# Altium PCB Iris.PcbDoc (part 4 of 13)
Units mm, origin at the board's own origin, x right, y up, seen from the top; angles counter-clockwise.
Board outline 100 x 72 mm, 6 copper layers (Top Layer, PowerPlane1, MidLayer1, MidLayer2, PowerPlane2, Bottom Layer), stack 1.561 mm thick; 396 components, 379 nets, 1616 pads, 658 vias.
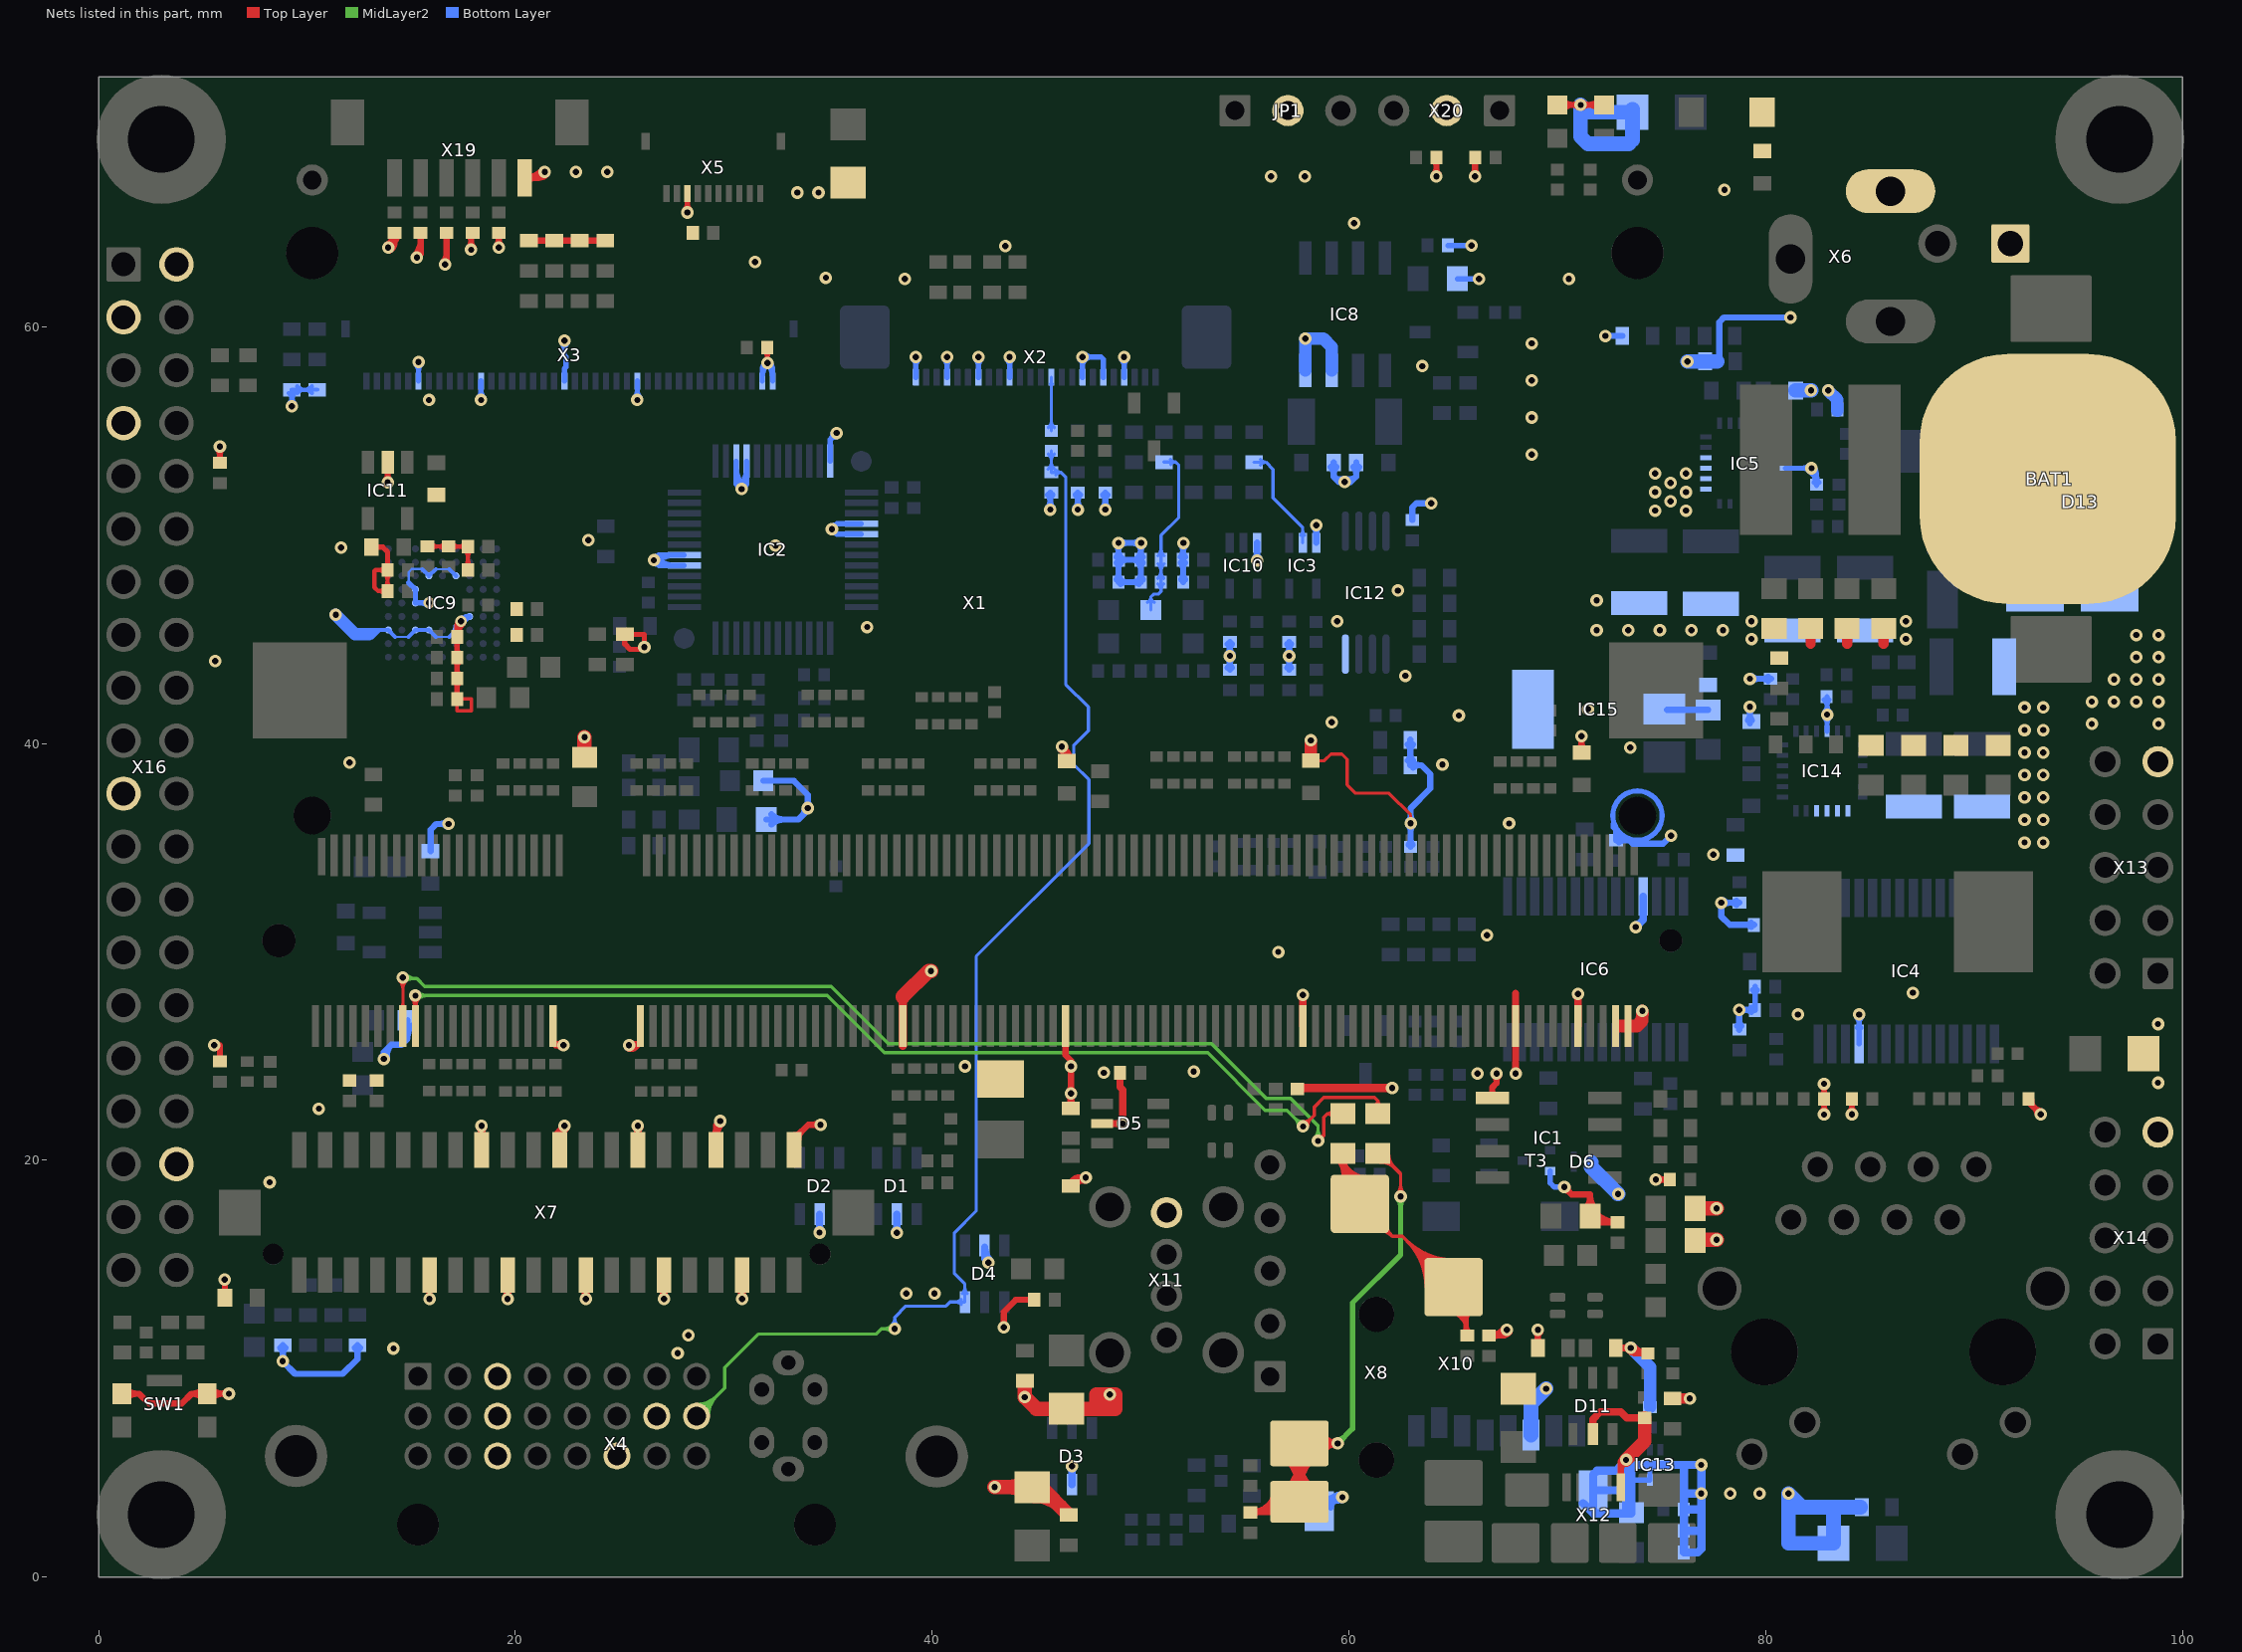
[diagram p8: the nets of this part, all layers, seen from the top]

## Via types
v1: diameter 0.6, hole 0.3, Top Layer to Bottom Layer, tented both sides, 651 vias
v2: diameter 0.55, hole 0.3, Top Layer to Bottom Layer, tented both sides, 7 vias

## Nets (pads, with @x,y where several pads share a name; then routed paths per layer and width w, separated by ;. In a path a pad name is that pad's centre, name@x,y a point inside that pad or via, vN(x,y) a via of type N, cw(c..) or ccw(c..) an arc to the next point about the centre after c; other vN are vias at no path point) (continued)
GND: BAT1.2 C1.2 C2.2 C3.2 C4.2 C5.2 C6.2 C7.2 C8.2 C20.1 C21.1 C22.1 C23.1 C24.1 C25.1 C28.2 C33.1 C34.1 C35.1 C36.1 C37.1 C39.2 C41.2 C42.1 C43.1 C44.1 C45.1 C46.1 C48.2 C50.1 C51.1 C52.2 C53.2 C54.1 C55.1 C56.1 C57.1 C58.1 C59.1 C61.1 C63.1 C64.1 C65.1 C66.1 C67.1 C68.1 C69.1 C70.1 C72.1 C73.1 C74.1 C75.1 C76.1 C77.1 C78.1 C79.1 C80.1 C81.1 C82.2 C84.1 C86.1 C89.1 C90.1 C91.1 C92.1 C93.1 C94.1 C95.1 C96.1 C97.1 C98.1 C99.2 C100.2 C101.2 C102.1 C104.1 C105.1 C112.1 C115.1 C116.2 C117.1 C118.1 C119.1 C120.1 C121.1 C122.1 C123.1 C124.1 C125.1 C126.1 C127.1 C128.1 C129.1 C130.1 C131.1 C132.1 C133.2 C134.2 C135.2 C136.1 C137.1 C138.1 C139.1 D1.2 D2.2 D3.2 D4.2 D5.2 D6.3 D11.2 IC1.1 IC2.3 IC2.4 IC2.12 IC2.16 IC2.17 IC2.41 IC2.42 IC3.3 IC4.25 IC5.4 IC5.12 IC5.13 IC5.14 IC5.15 IC6.25 IC8.3 IC8.4 IC9.C1 IC9.C3 IC9.C4 IC9.C6 IC9.D7 IC9.E3 IC9.F3 IC9.G4 IC9.G6 IC10.3 IC11.2 IC12.4 IC13.2 IC13.5 IC14.4 IC14.12 IC14.13 IC14.14 IC14.15 IC15.2 IC15.4 JP1.2 L23.2 L24.2 L27.1 LED1.1 LED2.1 R25.2 R26.2 R28.2 R30.1 R37.1 R42.2 R46.2 R58.1 R59.1 R60.1 R63.2 R67.1 R70.2 R72.1 R74.1 R83.2 R85.2 R86.2 R91.1 R100.1 R116.2 R130.2 R132.2 R134.2 R136.2 R137.1 R138.1 R140.1 R154.2 R155.1 SW1.1 SW1.3 T3.2 X1.39 X1.41 X1.83 X1.109 X1.147 X1.181 X1.191 X1.197 X1.199 X2.1 X2.4 X2.7 X2.10 X2.17 X2.19 X2.21 X3.1 X3.2 X3.14 X3.21 X3.29 X3.35 X4.3 X4.11 X4.15 X4.19 X4.22 X5.3 X7.2 X7.5 X7.8 X7.11 X7.14 X7.17 X7.20 X7.23 X7.26 X7.29 X10.6 X10.S1 X10.S2 X11.4 X12.5 X13.9 X14.9 X16.2 X16.3 X16.7 X16.21 X16.36 X19.1 X20.2 | length 500.4
  Top Layer w0.15: C100.2@58.176,39.18 58.825,39.18 59.142,39.497 59.665,39.497 59.919,39.243 59.919,38.024 60.325,37.617 61.925,37.617 62.967,36.576 v1(62.967,36.182)
  Top Layer w0.165: 17.203,41.58 C121.1@17.203,42.139 17.882,42.139 17.882,41.58 17.203,41.58
  Top Layer w0.2: C23.1@13.725,47.188 ccw(c13.411,46.883) 13.411,47.32 ; C23.1@13.725,47.453 cw(c13.411,47.758) 13.411,47.32 ; C23.1@13.727,47.495 ccw(c13.402,47.819) 13.861,47.819 ccw(c14.32,47.819) C23.1@13.995,47.495 ; C25.1@13.727,48.154 cw(c13.402,47.83) 13.861,47.83 cw(c14.32,47.83) C25.1@13.995,48.154 ; C25.1@13.727,48.194 ccw(c13.402,47.87) 13.402,48.329 ccw(c13.402,48.788) C25.1@13.727,48.463 ; v1@13.727,52.68 ccw(c13.386,53.022) 13.868,53.022 ccw(c14.351,53.022) v1@14.01,52.68 ; IC11.2@13.727,53.105 cw(c13.386,52.763) 13.868,52.763 cw(c14.351,52.763) IC11.2@14.01,53.105 ; v1@13.755,52.703 ccw(c13.647,52.859) 13.83,52.908 ; v1@13.768,52.712 ccw(c13.626,52.958) 13.901,52.885 ; 13.836,52.885 ccw(c14.111,52.958) v1@13.968,52.712 ; v1(13.868,52.539) IC11.2@13.868,53.496 ; 13.907,52.908 ccw(c14.089,52.859) v1@13.982,52.703 ; C24.1@15.773,49.461 17.714,49.461 C20.1@17.722,49.454 C21.1@17.722,48.329 ; C24.1@15.948,49.327 cw(c16.272,49.003) 16.272,49.461 cw(c16.272,49.92) C24.1@15.948,49.596 ; C22.1@16.615,49.327 ccw(c16.291,49.003) 16.291,49.461 ccw(c16.291,49.92) C22.1@16.615,49.596 ; C22.1@16.964,49.327 cw(c17.288,49.003) 17.288,49.461 cw(c17.288,49.92) C22.1@16.964,49.596 ; 17.245,49.461 cw(c17.245,48.977) C20.1@17.587,49.319 ; 17.281,49.461 ccw(c17.281,49.895) C20.1@17.587,49.588 ; C21.1@17.587,48.503 ccw(c17.263,48.827) 17.722,48.827 ccw(c18.18,48.827) C21.1@17.856,48.503 ; C20.1@17.587,49.279 cw(c17.263,48.955) 17.722,48.955 cw(c18.18,48.955) C20.1@17.856,49.279 ; C51.1@92.606,22.909 ccw(c92.997,22.909) C51.1@92.72,22.633 ; C51.1@92.616,22.949 92.616,22.737 v1@93.149,22.204 ; 92.767,22.586 ccw(c93.207,23.026) v1@93.207,22.404 ; C51.1@92.806,22.909 ccw(c93.68,22.909) v1@93.062,22.292 ; C51.1@92.812,22.724 ccw(c93.406,23.067) v1@93.252,22.399 ; 92.906,22.447 cw(c92.664,22.204) v1@93.007,22.204 ; 13.411,47.32 C23.1@13.861,47.32 C25.1@13.861,48.329 13.282,48.329 13.233,48.28 13.233,47.498 13.411,47.32
  Top Layer w0.254: C128.1@13.093,49.428 13.64,49.428 13.861,49.207 C25.1@13.861,48.329 ; C122.1@17.088,42.974 cw(c16.81,42.696) 17.203,42.696 cw(c17.597,42.696) C122.1@17.318,42.974 ; C122.1@17.088,43.284 ccw(c16.81,43.563) 17.203,43.563 ccw(c17.597,43.563) C122.1@17.318,43.284 ; C125.1@17.088,43.973 cw(c16.81,43.694) 17.203,43.694 cw(c17.597,43.694) C125.1@17.318,43.973 ; C125.1@17.088,44.283 ccw(c16.81,44.561) 17.203,44.561 ccw(c17.597,44.561) C125.1@17.318,44.283 ; C123.1@17.088,44.963 cw(c16.81,44.685) 17.203,44.685 cw(c17.597,44.685) C123.1@17.318,44.963 ; C123.1@17.088,45.274 ccw(c16.81,45.552) 17.203,45.552 ccw(c17.597,45.552) C123.1@17.318,45.274 ; C121.1@17.203,42.139 C122.1@17.203,43.129 C125.1@17.203,44.128 C123.1@17.203,45.118 17.203,45.681 v2(17.394,45.871) ; C123.1@17.203,45.054 cw(c18.211,45.054) v2@17.498,45.767 ; 17.203,45.668 cw(c17.597,45.668) v2@17.319,45.946 ; v1@28.128,65.612 ccw(c27.832,65.907) 28.25,65.907 ccw(c28.668,65.907) v1@28.372,65.612 ; v1(28.25,65.49) X5.3@28.25,66.4 ; C112.1@31.972,58.849 cw(c31.694,58.571) 32.088,58.571 cw(c32.481,58.571) C112.1@32.203,58.849 ; C112.1@32.088,58.953 32.088,58.284 v1(32.1,58.272) ; v1(74.733,19.075) C54.1@75.405,19.075 ; v1@74.875,18.977 cw(c75.037,18.865) 75.088,19.055 ; v1@74.875,19.174 ccw(c75.037,19.286) 75.088,19.096 ; v1@74.877,18.98 cw(c75.016,18.889) 75.059,19.049 ; v1@74.877,19.171 ccw(c75.016,19.262) 75.059,19.102 ; C54.1@75.239,18.96 ccw(c74.961,18.682) 74.961,19.075 ccw(c74.961,19.469) C54.1@75.239,19.191 ; C54.1@75.29,18.96 ccw(c75.012,18.682) 75.012,19.075 ccw(c75.012,19.469) C54.1@75.29,19.191 ; v1@82.685,22.323 ccw(c82.39,22.618) 82.807,22.618 ccw(c83.225,22.618) v1@82.93,22.323 ; v1@82.685,23.575 cw(c82.39,23.28) 82.807,23.28 cw(c83.225,23.28) v1@82.93,23.575 ; C50.1@82.692,22.794 cw(c82.414,22.515) 82.807,22.515 cw(c83.201,22.515) C50.1@82.923,22.794 ; C50.1@82.692,23.104 ccw(c82.414,23.383) 82.807,23.383 ccw(c83.201,23.383) C50.1@82.923,23.104 ; v1@82.807,22.099 C50.1@82.807,22.949 v1@82.807,23.799 ; v1@84.02,22.323 ccw(c83.725,22.619) 84.143,22.619 ccw(c84.56,22.619) v1@84.265,22.323 ; C89.1@84.028,22.794 cw(c83.749,22.516) 84.143,22.516 cw(c84.536,22.516) C89.1@84.258,22.794 ; v1(84.143,22.201) C89.1@84.143,22.949 ; C54.1@75.151,19.075 ccw(c75.151,18.658) 74.855,18.953 cw(c75.151,18.658) C54.1@75.151,19.075 ; C54.1@75.151,19.075 cw(c75.151,19.493) 74.855,19.198 ccw(c75.151,19.493) C54.1@75.151,19.075 ; 25.25,44.778 R86.2@25.25,45.251 25.264,45.237 26.187,45.237 26.187,44.577 26.137,44.526 25.502,44.526 25.25,44.778
  Top Layer w0.3: SW1.3@1.11,8.8 1.944,8.8 2.413,8.331 3.988,8.331 4.457,8.8 v1(6.248,8.8) ; SW1.3@1.322,8.588 cw(c1.834,8.076) 1.834,8.8 cw(c1.834,9.524) SW1.3@1.322,9.012 ; SW1.1@4.998,8.588 ccw(c4.486,8.076) 4.486,8.8 ccw(c4.486,9.524) SW1.1@4.998,9.012 ; SW1.1@5.422,8.588 cw(c5.934,8.076) 5.934,8.8 cw(c5.934,9.524) SW1.1@5.422,9.012 ; v1(5.537,25.527) 5.791,25.527 5.817,25.502 5.817,24.849 C118.1@5.715,24.747 ; v1@5.711,54.148 cw(c5.454,53.892) 5.817,53.892 cw(c6.179,53.892) v1@5.923,54.148 ; C117.1@5.718,53.582 ccw(c5.479,53.821) 5.817,53.821 ccw(c6.155,53.821) C117.1@5.916,53.582 ; C117.1@5.817,53.559 v1(5.817,54.254) ; v1(6.045,14.275) 6.058,14.262 C119.1@6.058,13.411 ; v1@6.142,8.694 ccw(c5.886,8.438) 5.886,8.8 ccw(c5.886,9.162) v1@6.142,8.906 ; v1@13.831,63.941 ccw(c13.574,64.51) C90.1@14.198,64.51 14.198,64.11 v1(13.893,63.805) ccw(c13.464,64.234) C90.1@14.028,64.458 ; v1@13.87,63.953 ccw(c13.83,64.204) 14.05,64.077 ccw(c14.27,63.95) v1@14.033,63.859 ; v1@13.893,63.955 ccw(c13.893,64.317) 14.149,64.061 ccw(c14.405,63.805) v1@14.043,63.805 ; v1@13.955,63.668 ccw(c13.785,64.045) 14.198,64.045 ; C90.1@14.099,64.411 cw(c13.86,64.172) 14.198,64.172 cw(c14.536,64.172) C90.1@14.297,64.411 ; 14.216,64.127 ccw(c13.925,64.417) C90.1@14.307,64.569 ; v1@15.164,63.428 ccw(c14.479,64.114) 15.448,64.114 ; v1(15.27,63.322) 15.448,63.5 C91.1@15.448,64.51 ; C91.1@15.349,64.411 cw(c15.11,64.172) 15.448,64.172 cw(c15.786,64.172) C91.1@15.547,64.411 ; v1(15.875,13.342) X7.29@15.875,14.5 ; v1@16.516,63.098 ccw(c16.076,63.538) 16.698,63.538 ; C92.1@16.599,64.417 cw(c16.36,64.178) 16.698,64.178 cw(c17.036,64.178) C92.1@16.797,64.417 ; v1(16.622,62.992) 16.698,63.068 C92.1@16.698,64.516 ; v1@17.766,63.809 ccw(c17.51,64.065) 17.872,64.065 ccw(c18.234,64.065) v1@17.978,63.809 ; C93.1@17.773,64.411 cw(c17.534,64.172) 17.872,64.172 cw(c18.21,64.172) C93.1@17.971,64.411 ; v1(17.872,63.703) C93.1@17.872,64.51 ; X7.26@18.234,21.141 ccw(c17.892,21.483) 18.375,21.483 ccw(c18.858,21.483) X7.26@18.516,21.141 ; v1@18.268,21.552 cw(c18.095,21.38) X7.26@18.331,21.317 ; v1@18.269,21.552 cw(c18.013,21.295) 18.375,21.295 cw(c18.737,21.295) 18.481,21.552 ccw(c18.655,21.38) X7.26@18.419,21.317 ; X7.26@18.375,20.5 v1(18.375,21.658) ; v1@19.092,63.911 ccw(c18.836,64.167) 19.198,64.167 ccw(c19.56,64.167) v1@19.304,63.911 ; C94.1@19.099,64.411 cw(c18.86,64.172) 19.198,64.172 cw(c19.536,64.172) C94.1@19.297,64.411 ; v1(19.198,63.805) C94.1@19.198,64.51 ; X7.23@19.484,13.859 cw(c19.142,13.517) 19.625,13.517 cw(c20.108,13.517) X7.23@19.766,13.859 ; v1@19.518,13.448 ccw(c19.345,13.62) X7.23@19.581,13.683 ; v1@19.519,13.448 ccw(c19.263,13.705) 19.625,13.705 ccw(c19.987,13.705) v1@19.731,13.448 ; v1(19.625,13.342) X7.23@19.625,14.5 ; X7.23@19.669,13.683 ccw(c19.905,13.62) v1@19.732,13.448 ; X19.1@20.589,67.014 cw(c20.931,66.673) 20.931,67.155 cw(c20.931,67.638) X19.1@20.589,67.297 ; R136.2@20.642,64.137 24.306,64.137 R130.2@24.308,64.135 ; 21.118,67.155 ccw(c21.118,67.693) v1@21.519,67.335 ; v1@21.257,67.435 cw(c20.895,67.435) 21.151,67.179 cw(c21.407,66.923) v1@21.407,67.285 ; v1@21.295,67.535 cw(c20.448,68.291) X19.1@20.448,67.155 21.128,67.155 v1(21.407,67.435) ; X1.39@21.8,26.446 X1.39@21.8,25.647 ; X1.39@21.818,25.639 ccw(c22.087,25.908) v1@22.087,25.527 ; X7.20@21.972,21.19 cw(c22.572,20.844) v1@22.392,21.513 ; 21.989,25.553 ccw(c22.037,25.731) v1@22.182,25.619 ; X7.20@21.996,21.153 ccw(c21.765,21.429) 22.125,21.429 ; X7.20@22.041,20.946 cw(c22.344,21.139) 22.09,21.393 ; X7.20@22.053,21.159 cw(c22.544,21.027) v1@22.397,21.514 ; X7.20@22.062,21.345 cw(c22.343,21.183) v1@22.35,21.508 ; X7.20@22.125,20.5 22.125,21.429 ; X7.20@22.125,20.744 cw(c23.268,20.744) v1@22.46,21.552 ; v1@22.195,25.421 ccw(c21.939,25.165) 21.939,25.527 ccw(c21.939,25.889) v1@22.195,25.633 ; v1@22.2,25.638 cw(c22.005,25.852) X1.39@21.8,25.647 ; v1@22.204,21.645 cw(c21.932,21.622) 22.125,21.429 ; X7.20@22.254,21.153 cw(c22.485,21.429) 22.125,21.429 ; X7.20@22.294,21.108 cw(c22.666,21.345) v1(22.354,21.658) 22.125,21.429 ; v1(22.301,25.527) 21.92,25.527 X1.39@21.8,25.647 ; v1@22.341,21.508 ccw(c22.318,21.236) 22.125,21.429 ; X7.17@23.234,13.859 cw(c22.892,13.517) 23.375,13.517 cw(c23.858,13.517) X7.17@23.516,13.859 ; v1@23.268,13.448 ccw(c23.095,13.62) X7.17@23.331,13.683 ; v1@23.269,13.448 ccw(c23.013,13.705) 23.375,13.705 ccw(c23.737,13.705) v1@23.481,13.448 ; v1(23.375,13.342) X7.17@23.375,14.5 ; X7.17@23.419,13.683 ccw(c23.655,13.62) v1@23.482,13.448 ; v1@25.357,25.41 ccw(c25.547,25.648) 25.763,25.432 ; v1(25.451,25.527) 25.857,25.527 X1.41@26,25.67 ; v1@25.544,25.644 ccw(c25.758,25.912) X1.41@26,25.67 ; v1@25.557,25.421 cw(c25.813,25.165) 25.813,25.527 cw(c25.813,25.889) v1@25.557,25.633 ; v1@25.568,25.621 ccw(c25.735,25.754) 25.79,25.548 ; v1@25.713,25.527 ccw(c25.713,25.908) X1.41@25.982,25.639 ; X7.14@25.734,21.141 ccw(c25.392,21.483) 25.875,21.483 ccw(c26.358,21.483) X7.14@26.016,21.141 ; X7.14@25.831,21.317 ccw(c25.595,21.38) 25.768,21.552 cw(c25.513,21.295) 25.875,21.295 cw(c26.237,21.295) v1@25.981,21.552 ; X7.14@25.875,20.5 v1(25.875,21.658) ; X7.14@25.919,21.317 cw(c26.155,21.38) v1@25.982,21.552 ; X1.41@26,26.446 X1.41@26,25.67 ; X7.11@26.984,13.859 cw(c26.642,13.517) 27.125,13.517 cw(c27.608,13.517) X7.11@27.266,13.859 ; v1@27.018,13.448 ccw(c26.845,13.62) X7.11@27.081,13.683 ; v1@27.019,13.448 ccw(c26.763,13.705) 27.125,13.705 ccw(c27.487,13.705) v1@27.231,13.448 ; v1(27.125,13.342) X7.11@27.125,14.5 ; X7.11@27.169,13.683 ccw(c27.405,13.62) v1@27.232,13.448 ; X7.8@29.484,21.141 ccw(c29.142,21.483) 29.625,21.483 ccw(c30.108,21.483) X7.8@29.766,21.141 ; X7.8@29.625,20.5 29.625,21.683 v1(29.828,21.886) ; X7.8@29.625,21.034 cw(c30.681,21.034) v1@29.934,21.78 ; X7.5@30.734,13.859 cw(c30.392,13.517) 30.875,13.517 cw(c31.358,13.517) X7.5@31.016,13.859 ; v1@30.768,13.448 ccw(c30.595,13.62) X7.5@30.831,13.683 ; v1@30.769,13.448 ccw(c30.513,13.705) 30.875,13.705 ccw(c31.237,13.705) v1@30.981,13.448 ; v1(30.875,13.342) X7.5@30.875,14.5 ; X7.5@30.919,13.683 ccw(c31.155,13.62) v1@30.982,13.448 ; X7.2@33.375,20.5 33.375,21.031 34.053,21.708 v1(34.645,21.708) ; X7.2@33.375,21.2 ccw(c33.375,21.609) X7.2@33.664,21.32 ; X7.2@33.575,21 cw(c34.132,21) 33.738,21.394 ; v1@34.539,21.602 ccw(c34.283,21.346) 34.283,21.708 ccw(c34.283,22.071) v1@34.539,21.814 ; v1(43.434,11.989) 43.434,12.725 44.018,13.31 C44.1@44.9,13.31 ; v1@46.14,39.733 cw(c45.699,39.118) C99.2@46.456,39.118 ; v1@46.184,39.711 cw(c46.037,39.224) C99.2@46.528,39.356 ; v1@46.189,39.71 cw(c46.033,39.109) C99.2@46.571,39.419 ; C99.2@46.235,39.292 ccw(c45.941,39.569) v1(46.227,39.855) 46.456,39.626 ; v1@46.24,39.705 cw(c46.262,39.433) 46.456,39.626 ; v1@46.246,39.706 cw(c46.275,39.485) 46.468,39.597 ; C99.2@46.317,39.298 ccw(c45.999,39.626) 46.456,39.626 ; v1@46.376,39.842 ccw(c46.649,39.82) 46.456,39.626 ; X1.109@46.4,26.446 46.4,25.05 46.658,24.792 v1(46.658,23.205) R30.1@46.659,22.502 ; 46.445,39.636 cw(c46.166,39.357) C99.2@46.453,39.086 ; C99.2@46.456,39.154 46.456,39.626 ; R30.1@46.535,22.626 ccw(c46.237,22.925) 46.659,22.925 ccw(c47.082,22.925) R30.1@46.783,22.626 ; v1@46.552,23.099 cw(c46.294,22.841) 46.659,22.841 ; v1@46.552,23.312 ccw(c46.296,23.568) 46.658,23.568 ccw(c47.02,23.568) v1@46.764,23.312 ; v1@46.558,23.093 cw(c46.388,22.903) 46.635,22.836 ; C99.2@46.595,39.298 cw(c46.912,39.626) 46.456,39.626 ; R59.1@46.634,18.767 cw(c47.06,18.751) 47.06,19.177 ; 46.659,22.845 cw(c47.019,22.845) v1@46.764,23.099 ; 46.683,22.834 cw(c46.936,22.902) v1@46.76,23.095 ; R59.1@46.873,18.829 cw(c47.241,18.616) v1@47.337,19.031 ; R59.1@46.933,18.781 cw(c47.419,18.831) v1@47.074,19.177 ; R59.1@46.934,18.756 cw(c47.371,18.74) v1(47.371,19.177) v1@47.074,19.177 ; v1@47.361,19.027 ccw(c47.303,18.118) R59.1@46.659,18.762 v1@47.074,19.177 ; v1@64.096,67.324 ccw(c63.84,67.58) 64.202,67.58 ccw(c64.564,67.58) v1@64.308,67.324 ; C116.2@64.107,67.991 cw(c63.879,67.763) 64.202,67.763 ; v1(64.202,67.218) C116.2@64.202,68.126 ; 64.202,67.741 cw(c64.555,67.741) C116.2@64.305,67.991 ; v1@65.955,67.328 ccw(c65.698,67.584) 66.061,67.584 ccw(c66.423,67.584) v1@66.167,67.328 ; C115.1@65.962,67.991 cw(c65.723,67.752) 66.061,67.752 cw(c66.399,67.752) C115.1@66.16,67.991 ; v1(66.061,67.222) C115.1@66.061,68.13 ; IC1.1@66.79,23.093 ccw(c66.577,23.306) 66.878,23.306 ; C35.1@66.865,11.491 cw(c67.104,11.252) 67.104,11.59 cw(c67.104,11.928) C35.1@66.865,11.689 ; 66.878,23.392 ccw(c67.301,23.392) IC1.1@67.002,23.093 ; IC1.1@66.896,22.987 66.878,23.005 66.878,23.495 67.089,23.705 v1(67.089,24.169) ; v1@66.983,24.063 cw(c66.726,23.806) 67.089,23.806 cw(c67.451,23.806) v1@67.195,24.063 ; 67.34,11.59 ccw(c67.34,12.056) v1@67.708,11.77 ; v1@67.439,11.862 cw(c67.077,11.862) 67.333,11.606 cw(c67.589,11.35) v1@67.589,11.712 ; v1@67.471,11.954 cw(c66.726,12.534) C35.1@66.726,11.59 67.323,11.59 67.323,11.595 v1(67.589,11.862) ; R58.1@68.949,11.222 ccw(c68.65,11.521) 69.073,11.521 ccw(c69.495,11.521) R58.1@69.197,11.222 ; v1@68.967,11.765 cw(c68.711,11.509) 69.073,11.509 cw(c69.435,11.509) v1@69.179,11.765 ; R58.1@69.073,10.998 v1(69.073,11.871) ; LED2.1@70,70.653 LED1.1@72.25,70.653 ; LED2.1@70.237,70.441 cw(c70.749,69.929) 70.749,70.653 cw(c70.749,71.377) LED2.1@70.237,70.865 ; v1@70.34,18.567 cw(c70.34,18.205) 70.596,18.461 cw(c70.852,18.717) v1@70.49,18.717 ; v1(70.34,18.717) 70.693,18.364 71.587,18.364 C42.1@71.587,17.323 71.6,17.31 71.6,17.097 71.671,17.025 C43.1@72.898,17.025 cw(c72.898,18.518) C42.1@71.836,17.469 ; v1@71.019,70.547 ccw(c70.763,70.291) 70.763,70.653 ccw(c70.763,71.015) v1@71.019,70.759 ; C101.2@71.029,39.703 ccw(c70.688,40.045) 71.171,40.045 ccw(c71.654,40.045) C101.2@71.312,39.703 ; C101.2@71.171,39.562 v1@71.171,40.437 ; v1@71.231,70.547 cw(c71.487,70.291) 71.487,70.653 cw(c71.487,71.015) v1@71.231,70.759 ; C42.1@71.34,17.67 ccw(c70.742,18.268) 71.587,18.268 ccw(c72.432,18.268) C42.1@71.835,17.67 ; C42.1@71.623,17.258 ccw(c72.18,17.808) 72.18,17.025 ; LED1.1@72.013,70.441 ccw(c71.501,69.929) 71.501,70.653 ccw(c71.501,71.377) LED1.1@72.013,70.865 ; C43.1@72.759,16.926 ccw(c72.52,16.687) 72.52,17.025 ccw(c72.52,17.363) C43.1@72.759,17.124 ; R60.1@72.813,10.998 v1(73.533,10.998) 73.79,10.742 R116.2@74.346,10.742 cw(c74.346,11.607) v1@73.653,11.088 ; R60.1@72.937,10.874 cw(c73.235,10.576) 73.235,10.998 cw(c73.235,11.421) R60.1@72.937,11.122 ; X12.5@73.056,4.49 73.056,5.551 v1@73.132,5.627 ; 73.056,5.081 cw(c73.678,5.081) v1@73.238,5.521 ; 73.153,10.976 cw(c73.223,10.716) v1@73.422,10.897 ; 73.153,11.02 ccw(c73.223,11.281) v1@73.422,11.099 ; v1@73.413,10.908 ccw(c73.746,11.158) 73.746,10.742 ; v1@73.427,10.892 ccw(c73.171,10.636) 73.171,10.998 ccw(c73.171,11.36) v1@73.427,11.104 ; v1@73.533,10.848 cw(c73.533,10.486) 73.789,10.742 ; v1@73.683,10.998 ccw(c74.045,10.998) 73.789,10.742 ; R116.2@74.225,10.646 ccw(c73.995,10.416) 73.995,10.742 ccw(c73.995,11.068) R116.2@74.225,10.837
  Top Layer w0.35: D5.2@48.154,21.768 v1(49.149,21.768) 49.149,23.393 49.014,23.529 C120.1@49.014,24.206 ; v1@49.061,21.679 ccw(c48.847,21.466) 48.847,21.768 ccw(c48.847,22.07) 49.061,21.856 ccw(c48.847,22.07) 49.149,22.07 ccw(c49.451,22.07) v1@49.237,21.856 ; v1@57.709,27.848 cw(c57.488,27.627) 57.8,27.627 ; X1.147@57.8,26.446 v1@57.8,27.933 ; v1@68,24.169 68,28.016 ; 68,24.478 ccw(c68.312,24.478) v1@68.091,24.257 ; v1@70.909,27.898 cw(c70.688,27.678) 71,27.678 ; X1.191@71,26.446 v1@71,27.933 ; D11.2@71.708,6.859 71.708,7.573 72.06,7.925 73.05,7.925 73.337,7.638 C104.1@74.193,7.638
  Top Layer w0.4: X1.83@38.6,25.502 38.6,27.856 ; C28.2@57.531,23.426 57.574,23.47 v1(62.078,23.47) ; C28.2@57.635,23.363 cw(c57.893,23.104) 57.893,23.47
  Top Layer w0.5: R137.1@75.54,8.574 v1(76.364,8.574) ; 82.161,44.806 C64.1@82.161,45.532 ; 83.914,44.806 C65.1@83.914,45.532 ; 85.666,44.806 C66.1@85.666,45.532
  Top Layer w0.6: C100.2@58.176,39.281 v1@58.176,40.132 ; X1.197@72.923,26.446 73.842,26.446 ; 73.842,26.446 ccw(c73.235,27.054) v1(74.086,27.174) 74.086,26.689 73.842,26.446
  Top Layer w0.66: v1(73.304,5.627) 74.193,6.516 C104.1@74.193,7.638
  Top Layer w0.7: C98.1@23.317,39.348 v1(23.317,40.307) ; 38.6,27.856 39.827,29.083 v1(39.945,29.083) ; v1(43.002,4.318) 45.226,4.318 R140.1@46.527,3.017 ; C136.1@44.426,4.027 ccw(c43.723,3.323) 43.723,4.318 ccw(c43.723,5.313) C136.1@44.426,4.609 ; R37.1@44.45,9.373 v1(44.45,8.634) 45.007,8.077 48.793,8.077 48.793,8.763 47.879,8.763 47.879,8.077 ; C136.1@44.894,3.906 cw(c44.894,2.109) 46.164,3.38 ; C52.2@76.623,16.196 v1(77.648,16.196) ; C53.2@76.623,17.695 v1(77.648,17.695)
  Bottom Layer w0.105: 16.175,48.375 16.825,48.375
  Bottom Layer w0.11: 14.225,45.125 14.875,45.125 ; 14.875,47.725 14.875,48.225 15.025,48.375 15.525,48.375 ; 16.175,45.125 16.825,45.125
  Bottom Layer w0.2: R63.2@9.112,56.826 cw(c8.728,56.442) 9.271,56.442 cw(c9.814,56.442) R63.2@9.43,56.826 ; v1@9.13,56.33 ccw(c8.788,56.671) 9.271,56.671 ccw(c9.754,56.671) v1@9.412,56.33 ; v1@9.144,56.343 ccw(c8.983,56.538) 9.228,56.604 ; v1@9.171,56.362 ccw(c9.041,56.586) 9.292,56.519 ; 9.25,56.519 ccw(c9.501,56.586) v1@9.371,56.362 ; v1(9.271,56.188) R63.2@9.271,56.985 R91.1@10.49,56.985 ; 9.314,56.604 ccw(c9.559,56.538) v1@9.398,56.343 ; R63.2@9.53,56.826 cw(c9.914,56.442) 9.914,56.985 cw(c9.914,57.528) R63.2@9.53,57.144 ; R91.1@10.231,56.826 ccw(c9.847,56.442) 9.847,56.985 ccw(c9.847,57.528) R91.1@10.231,57.144 ; v1@11.379,45.977 cw(c11.379,45.494) 11.721,45.836 cw(c12.062,46.177) v1@11.579,46.177 ; v1(11.379,46.177) 12.106,45.45 IC9.C1@13.9,45.45 14.225,45.125 ; 13.121,45.109 13.446,45.434 ; 14.875,45.125 IC9.C3@15.2,45.45 IC9.C4@15.85,45.45 16.175,45.125 ; 15.525,48.375 IC9.G4@15.85,48.05 16.175,48.375 ; 16.825,45.125 IC9.C6@17.15,45.45 ; 16.825,48.375 IC9.G6@17.15,48.05 ; v2@17.229,45.811 cw(c16.907,45.693) IC9.C6@17.15,45.45 ; v2@17.461,46.033 ccw(c17.58,46.32) IC9.D7@17.8,46.1 17.571,45.871 v2(17.394,45.871) 17.394,45.694 IC9.C6@17.15,45.45